# Altium PCB Copy of PCB1.PcbDoc (part 3 of 5) (continued)
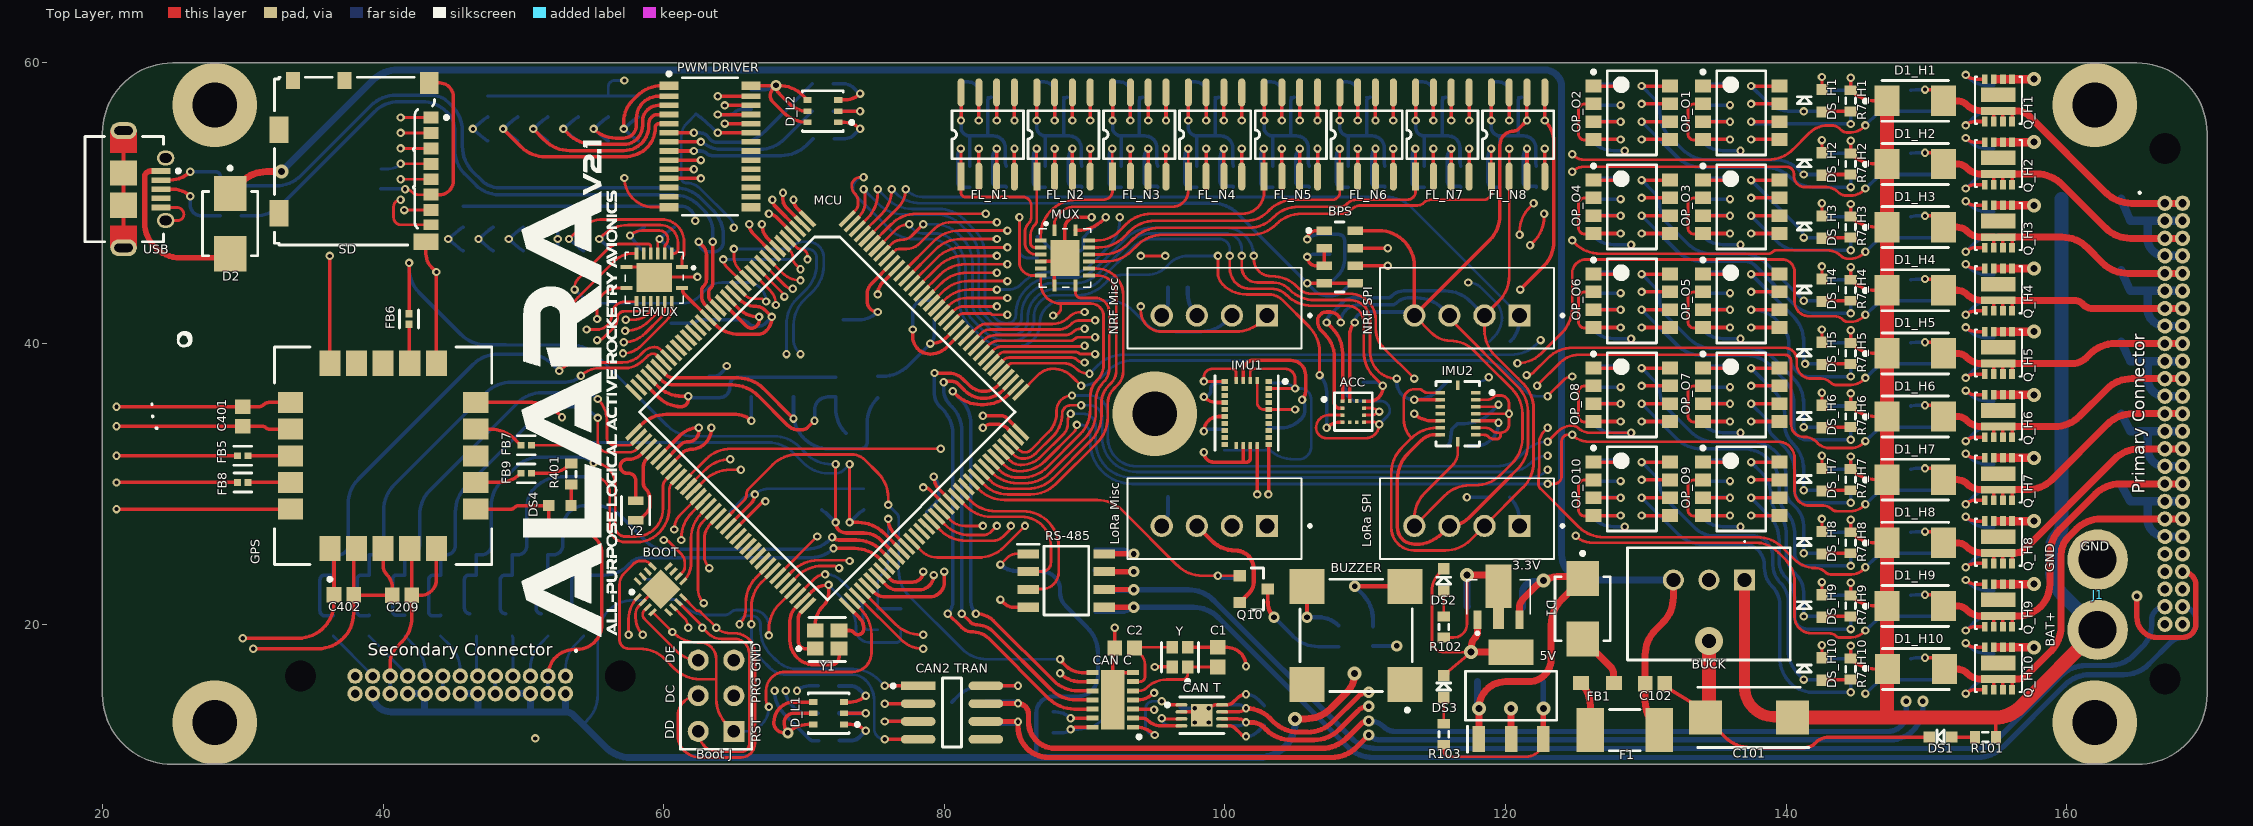
[diagram p0: Top Layer view]
## Nets (pads, with @x,y where several pads share a name; then routed paths per layer and width w, separated by ;. In a path a pad name is that pad's centre, name@x,y a point inside that pad or via, vN(x,y) a via of type N, cw(c..) or ccw(c..) an arc to the next point about the centre after c; other vN are vias at no path point) (continued)
  Top Layer w0.3: 21.5,47.613 USB.10@21.5,49.85 USB.9@21.5,52.15 21.5,54.388 ; 98,27 99.043,25.957 ccw(c100.75,27.664) 100.75,25.25 cw(c100.75,23.95) 102.05,23.95 102.05,23 cw(c100.963,23) 101.732,22.232 Q10.2@101.05,21.55
  Top Layer w0.5: DS3.1@115.6,16.35 DS3.1@115.75,16.5 ; 3.3V.1@118,20.312 118,19.412 cw(c117.488,19.412) 117.85,19.05 ccw(c118.574,18.326) 117.55,18.326 v2(117.55,18) 5V.4@120.4,18 ; 5V.2@120.4,11.8 v2(120.4,14)
  Top Layer w0.6: Q_H10.7@154.9,18.35 Q_H10.5@156.1,18.35 v2(157.65,18.35) ; Q_H9.7@154.9,22.85 Q_H9.5@156.1,22.85 v2(157.65,22.85) ; Q_H8.7@154.9,27.35 Q_H8.5@156.1,27.35 v2(157.65,27.35) ; Q_H7.7@154.9,31.85 Q_H7.5@156.1,31.85 v2(157.65,31.85) ; Q_H6.7@154.9,36.35 Q_H6.5@156.1,36.35 v2(157.65,36.35) ; Q_H5.7@154.9,40.85 Q_H5.5@156.1,40.85 v2(157.65,40.85) ; Q_H4.7@154.9,45.35 Q_H4.5@156.1,45.35 v2(157.65,45.35) ; Q_H3.7@154.9,49.85 Q_H3.5@156.1,49.85 v2(157.65,49.85) ; Q_H2.7@154.9,54.35 Q_H2.5@156.1,54.35 v2(157.65,54.35) ; Q_H1.7@154.9,58.85 Q_H1.6@155.45,58.85 Q_H1.5@156.1,58.85 v2(157.65,58.85)
  Top Layer w1: C101.2@134.5,14.45 v6(134.5,18.8)
  Bottom Layer w0.2: v1(71.75,22.8) 72.956,21.594 cw(c71.16,19.798) 73.7,19.798 73.7,19.65 ccw(c74.65,19.65) 74.65,18.7 76.6,18.7 ccw(c76.6,19) 76.9,19 R105.2@76.9,19.6
  Bottom Layer w0.25: C210.1@39.85,51.05 41.446,51.05 cw(c41.446,50.879) v1(41.567,51) ; 40.5,15.05 40.5,16.3 ; 44.25,15.05 44.25,16.3 ; 48,15.05 48,16.3 ; 51.75,15.05 51.75,16.3 ; FB3.1@63.25,37.675 63.557,37.675 ccw(c63.557,38.443) 64.1,37.9 64.429,38.229 ccw(c64.259,38.4) v1(64.5,38.4) ; v1(63.85,56.325) 64.678,56.325 ccw(c64.678,56.922) 65.1,56.5 cw(c65.583,56.017) 65.583,56.7 C503.2@66.25,56.7 ; v1(77.75,41) 77.75,42.25 cw(c78.6,42.25) 78.6,43.1 C205.1@79.3,43.1 ; C5.1@96.775,14.2 ccw(c96.975,14.2) 96.975,14 v5(97.85,14) ; v1(101.5,15) cw(c101.5,13.793) 102.354,14.646 C4.1@102.8,14.2 ; v1(105.875,46.175) cw(c106.358,45.692) 106.358,46.375 C403.1@107.475,46.375
  Bottom Layer w0.3: C603.1@97.35,44 97.35,43.569 ccw(c99.569,43.569) 98,42 ; C601.1@110.55,18.45 v3(112.25,18.45)
  Bottom Layer w0.5: v2@120.315,14.035 ccw(c120.4,14.121) v2(120.4,14) ccw(c120.4,14.241) v2@120.571,14.071
  other v1: 50.85,11.855
  other v5: 97.85,13 98.85,13
"GPS INT": FB8.2 MCU.13 | length 78.1
  Top Layer w0.2: v1(65,46.75) 65,46.2 ccw(c66.292,46.2) 65.378,45.286 MCU.13@66.007,44.657
  Top Layer w0.254: v1(21,30.1) FB8.2@29.621,30.1
  Top Middle Layer w0.2: v1(21,30.1) 23.756,32.856 cw(c25.552,31.06) 25.552,33.6 56.042,33.6 ccw(c56.042,36.14) 57.838,34.344 59.9,36.406 cw(c61.696,34.61) 61.696,37.15 66.598,37.15 ccw(c66.598,39.69) 68.394,37.894 v1(69.75,39.25)
  Bottom Layer w0.2: v1(65,46.75) 68.717,46.75 ccw(c68.717,47.433) 69.2,46.95 cw(c69.924,46.226) 69.924,47.25 70.3,47.25 cw(c70.3,46.15) 71.4,46.15 71.4,45.552 cw(c68.86,45.552) 70.656,43.756 69.994,43.094 ccw(c71.79,41.298) 69.25,41.298 69.25,40.3 ccw(c70.578,40.3) 69.639,39.361 v1(69.75,39.25)
"GPS RST": FB5.1 MCU.14 | length 76
  Top Layer w0.2: v1(64.25,46) ccw(c64.956,46) 64.457,45.501 MCU.14@65.654,44.304
  Top Layer w0.254: v1(21,32) FB5.1@29.621,32
  Top Middle Layer w0.2: v1(21,32) 22.356,33.356 cw(c24.152,31.56) 24.152,34.1 55.848,34.1 ccw(c55.848,36.64) 57.644,34.844 59.756,36.956 cw(c61.552,35.16) 61.552,37.7 66.145,37.7 ccw(c66.145,40.24) 67.941,38.444 v1(68.75,39.253)
  Bottom Layer w0.2: v1(64.25,46) 68.796,46 ccw(c68.796,46.854) 69.4,46.25 69.653,46.503 cw(c70.25,45.905) 70.25,46.75 cw(c70.25,46.1) 70.9,46.1 70.9,45.652 cw(c68.36,45.652) 70.156,43.856 69.494,43.194 ccw(c71.29,41.398) 68.75,41.398 v1(68.75,39.253)
"GPS TP": FB9.2 R401.1 | length 3
  Top Layer w0.25: FB9.2@50.579,30.75 51.71,30.75 ccw(c51.71,33.14) R401.1@53.4,31.45
GRN_L1: D_L1.2 R2_L1.1 | length 3.5
  Top Layer w0.25: D_L1.2@72.85,13.65 v1(74.4,13.65)
  Bottom Layer w0.3: R2_L1.1@72.5,13.65 v1(74.4,13.65)
GRN_L2: D_L2.2 R2_L2.1 | length 3.5
  Top Layer w0.25: D_L2.2@72.45,56.564 v1(74,56.564)
  Bottom Layer w0.25: R2_L2.1@72.1,56.564 v1(74,56.564)
"HPO BAT+1": "Primary Connector.2" "Primary Connector.4" "Primary Connector.27" "Primary Connector.29" F_PTC1.2 | length 9.9
  Bottom Layer w0.6: F_PTC1.2@163.875,50.318 164.525,48.75 165.762,48.75 ; 168.25,46.25 167,46.25 cw(c167,47.487) 165.762,47.487 165.762,48.75 ; 168.25,48.75 167,48.75 165.762,48.75
"HPO BAT+2": "Primary Connector.6" "Primary Connector.8" "Primary Connector.31" "Primary Connector.33" F_PTC2.2 | length 9.8
  Bottom Layer w0.6: F_PTC2.2@163.875,45.218 164.525,43.75 165.763,43.75 ; 168.25,41.25 167,41.25 cw(c167,42.487) 165.763,42.487 165.763,43.75 ; 168.25,43.75 167,43.75 165.763,43.75
"HPO BAT+3": "Primary Connector.10" "Primary Connector.12" "Primary Connector.35" "Primary Connector.37" F_PTC3.2 | length 9.7
  Bottom Layer w0.6: F_PTC3.2@163.875,40.118 164.525,38.75 165.763,38.75 ; 168.25,36.25 167,36.25 cw(c167,37.487) 165.763,37.487 165.763,38.75 ; 168.25,38.75 167,38.75 165.763,38.75
"HPO BAT+4": "Primary Connector.14" "Primary Connector.16" "Primary Connector.39" "Primary Connector.41" F_PTC4.2 | length 9.6
  Bottom Layer w0.6: F_PTC4.2@163.875,35.018 164.525,33.75 165.763,33.75 ; 168.25,31.25 167,31.25 cw(c167,32.487) 165.763,32.487 165.763,33.75 ; 168.25,33.75 167,33.75 165.763,33.75
"HPO BAT+5": "Primary Connector.18" "Primary Connector.20" "Primary Connector.43" "Primary Connector.45" F_PTC5.2 | length 9.5
  Bottom Layer w0.6: F_PTC5.2@163.875,29.918 164.525,28.75 165.763,28.75 ; 168.25,26.25 167,26.25 cw(c167,27.487) 165.763,27.487 165.763,28.75 ; 168.25,28.75 167,28.75 165.763,28.75
"HPO D1": "Primary Connector.1" "Primary Connector.26" D1_H1.2 DS_H1.1 Q_H1.2 Q_H1.3 Q_H1.4 Q_H1.10 R5_H1.2 | length 33.2
  Top Layer w0.2: DS_H1.1@142.55,58.1 v1(142.55,59)
  Top Layer w0.25: v1(149.9,58.1) 150.46,58.1 D1_H1.2@151.225,57.3 ; Q_H1.2@154.8,55.827 154.8,56.582 Q_H1.10@154.85,56.582 ; Q_H1.3@155.45,55.827 Q_H1.10@155.45,56.582 ; Q_H1.4@156.1,55.827 Q_H1.10@156.1,56.582
  Top Layer w0.5: D1_H1.2@151.225,57.3 152.176,57.3 cw(c152.176,56.276) 152.9,57 ccw(c153.908,58.008) 153.908,56.582 Q_H1.10@154.8,56.582 ; Q_H1.10@155.125,56.582 155.45,56.582 156.1,56.582 156.427,56.582 cw(c156.427,55.277) 157.35,56.2 162.806,50.744 ccw(c164.602,52.54) 164.602,50 167,50 168.25,50
  Top Middle Layer w0.2: v1(142.55,59) ccw(c143.4,59) 143.4,58.15 149.85,58.15 cw(c149.85,58.1) v1(149.9,58.1)
  Bottom Layer w0.25: R5_H1.2@148.9,58.05 149.223,58.1 v1(149.9,58.1)
"HPO D2": "Primary Connector.3" "Primary Connector.28" D1_H2.2 DS_H2.1 Q_H2.2 Q_H2.3 Q_H2.4 Q_H2.10 R5_H2.2 | length 32.3
  Top Layer w0.2: DS_H2.1@142.55,53.6 v1(142.55,54.5)
  Top Layer w0.25: v1(149.9,53.6) 150.46,53.6 D1_H2.2@151.225,52.8 ; Q_H2.2@154.8,51.327 154.8,52.082 Q_H2.10@154.85,52.082 ; Q_H2.3@155.45,51.327 Q_H2.10@155.45,52.082 ; Q_H2.4@156.1,51.327 Q_H2.10@156.1,52.082
  Top Layer w0.5: D1_H2.2@151.225,52.8 152.176,52.8 cw(c152.176,51.776) 152.9,52.5 ccw(c153.908,53.508) 153.908,52.082 Q_H2.10@154.8,52.082 ; Q_H2.10@155.125,52.082 155.45,52.082 156.1,52.082 157.866,52.082 cw(c157.866,49.542) 159.662,51.338 162.756,48.244 ccw(c164.552,50.04) 164.552,47.5 167,47.5 168.25,47.5
  Top Middle Layer w0.2: v1(142.55,54.5) ccw(c143.4,54.5) 143.4,53.65 149.85,53.65 cw(c149.85,53.6) v1(149.9,53.6)
  Bottom Layer w0.25: R5_H2.2@148.9,53.55 149.223,53.6 v1(149.9,53.6)
"HPO D3": "Primary Connector.5" "Primary Connector.30" D1_H3.2 DS_H3.1 Q_H3.2 Q_H3.3 Q_H3.4 Q_H3.10 R5_H3.2 | length 31.5
  Top Layer w0.2: DS_H3.1@142.55,49.1 v1(142.55,50)
  Top Layer w0.25: v1(149.9,49.1) 150.46,49.1 D1_H3.2@151.225,48.3 ; Q_H3.2@154.8,46.827 154.8,47.582 Q_H3.10@154.85,47.582 ; Q_H3.3@155.45,46.827 Q_H3.10@155.45,47.582 ; Q_H3.4@156.1,46.827 Q_H3.10@156.1,47.582
  Top Layer w0.5: D1_H3.2@151.225,48.3 152.176,48.3 cw(c152.176,47.276) 152.9,48 ccw(c153.908,49.008) 153.908,47.582 Q_H3.10@154.8,47.582 ; Q_H3.10@155.125,47.582 155.45,47.582 156.1,47.582 159.666,47.582 cw(c159.666,45.042) 161.462,46.838 162.556,45.744 ccw(c164.352,47.54) 164.352,45 167,45 168.25,45
  Top Middle Layer w0.2: v1(142.55,50) ccw(c143.4,50) 143.4,49.15 149.85,49.15 cw(c149.85,49.1) v1(149.9,49.1)
  Bottom Layer w0.25: R5_H3.2@148.9,49.05 149.223,49.1 v1(149.9,49.1)
"HPO D4": "Primary Connector.7" "Primary Connector.32" D1_H4.2 DS_H4.1 Q_H4.2 Q_H4.3 Q_H4.4 Q_H4.10 R5_H4.2 | length 30.8
  Top Layer w0.2: DS_H4.1@142.55,44.6 v1(142.55,45.5)
  Top Layer w0.25: v1(149.9,44.6) 150.46,44.6 D1_H4.2@151.225,43.8 ; Q_H4.2@154.8,42.327 154.8,43.082 Q_H4.10@154.85,43.082 ; Q_H4.3@155.45,42.327 Q_H4.10@155.45,43.082 ; Q_H4.4@156.1,42.327 Q_H4.10@156.1,43.082
  Top Layer w0.5: D1_H4.2@151.225,43.8 152.176,43.8 cw(c152.176,42.776) 152.9,43.5 ccw(c153.908,44.508) 153.908,43.082 Q_H4.10@154.8,43.082 ; Q_H4.10@155.125,43.082 155.45,43.082 156.1,43.082 160.531,43.082 cw(c160.531,42.269) 161.106,42.844 161.15,42.8 ccw(c161.874,43.524) 161.874,42.5 167,42.5 168.25,42.5
  Top Middle Layer w0.2: v1(142.55,45.5) ccw(c143.4,45.5) 143.4,44.65 149.85,44.65 cw(c149.85,44.6) v1(149.9,44.6)
  Bottom Layer w0.25: R5_H4.2@148.9,44.55 149.223,44.6 v1(149.9,44.6)
"HPO D5": "Primary Connector.9" "Primary Connector.34" D1_H5.2 DS_H5.1 Q_H5.2 Q_H5.3 Q_H5.4 Q_H5.10 R5_H5.2 | length 31.1
  Top Layer w0.2: DS_H5.1@142.55,40.1 v1(142.55,41)
  Top Layer w0.25: v1(149.9,40.1) 150.46,40.1 D1_H5.2@151.225,39.3 ; Q_H5.2@154.8,37.827 154.8,38.582 Q_H5.10@154.85,38.582 ; Q_H5.3@155.45,37.827 Q_H5.10@155.45,38.582 ; Q_H5.4@156.1,37.827 Q_H5.10@156.1,38.582
  Top Layer w0.5: D1_H5.2@151.225,39.3 152.176,39.3 cw(c152.176,38.276) 152.9,39 ccw(c153.908,40.008) 153.908,38.582 Q_H5.10@154.8,38.582 ; Q_H5.10@155.125,38.582 155.45,38.582 156.1,38.582 160.392,38.582 ccw(c160.392,40.008) 161.4,39 161.656,39.256 cw(c163.452,37.46) 163.452,40 167,40 168.25,40
  Top Middle Layer w0.2: v1(142.55,41) ccw(c143.4,41) 143.4,40.15 149.85,40.15 cw(c149.85,40.1) v1(149.9,40.1)
  Bottom Layer w0.25: R5_H5.2@148.9,40.05 149.223,40.1 v1(149.9,40.1)
"HPO D6": "Primary Connector.11" "Primary Connector.36" D1_H6.2 DS_H6.1 Q_H6.2 Q_H6.3 Q_H6.4 Q_H6.10 R5_H6.2 | length 31.8
  Top Layer w0.2: DS_H6.1@142.55,35.6 v1(142.55,36.5)
  Top Layer w0.25: v1(149.9,35.6) 150.46,35.6 D1_H6.2@151.225,34.8 ; Q_H6.2@154.8,33.327 154.8,34.082 Q_H6.10@154.85,34.082 ; Q_H6.3@155.45,33.327 Q_H6.10@155.45,34.082 ; Q_H6.4@156.1,33.327 Q_H6.10@156.1,34.082
  Top Layer w0.5: D1_H6.2@151.225,34.8 152.176,34.8 cw(c152.176,33.776) 152.9,34.5 ccw(c153.908,35.508) 153.908,34.082 Q_H6.10@154.8,34.082 ; Q_H6.10@155.125,34.082 155.45,34.082 156.1,34.082 159.13,34.082 ccw(c159.13,36.622) 160.926,34.826 162.856,36.756 cw(c164.652,34.96) 164.652,37.5 167,37.5 168.25,37.5
  Top Middle Layer w0.2: v1(142.55,36.5) ccw(c143.4,36.5) 143.4,35.65 149.85,35.65 cw(c149.85,35.6) v1(149.9,35.6)
  Bottom Layer w0.25: R5_H6.2@148.9,35.55 149.223,35.6 v1(149.9,35.6)
"HPO D7": "Primary Connector.13" "Primary Connector.38" D1_H7.2 DS_H7.1 Q_H7.2 Q_H7.3 Q_H7.4 Q_H7.10 R5_H7.2 | length 32.7
  Top Layer w0.2: DS_H7.1@142.55,31.1 v1(142.55,32)
  Top Layer w0.25: v1(149.9,31.1) 150.46,31.1 D1_H7.2@151.225,30.3 ; Q_H7.2@154.8,28.827 154.8,29.582 Q_H7.10@154.85,29.582 ; Q_H7.3@155.45,28.827 Q_H7.10@155.45,29.582 ; Q_H7.4@156.1,28.827 Q_H7.10@156.1,29.582
  Top Layer w0.5: D1_H7.2@151.225,30.3 152.176,30.3 cw(c152.176,29.276) 152.9,30 ccw(c153.908,31.008) 153.908,29.582 Q_H7.10@154.8,29.582 ; Q_H7.10@155.125,29.582 155.45,29.582 156.1,29.582 157.18,29.582 ccw(c157.18,32.122) 158.976,30.326 162.906,34.256 cw(c164.702,32.46) 164.702,35 167,35 168.25,35
  Top Middle Layer w0.2: v1(142.55,32) ccw(c143.4,32) 143.4,31.15 149.85,31.15 cw(c149.85,31.1) v1(149.9,31.1)
  Bottom Layer w0.25: R5_H7.2@148.9,31.05 149.223,31.1 v1(149.9,31.1)
"HPO D8": "Primary Connector.15" "Primary Connector.40" D1_H8.2 DS_H8.1 Q_H8.2 Q_H8.3 Q_H8.4 Q_H8.10 R5_H8.2 | length 33.6
  Top Layer w0.2: DS_H8.1@142.55,26.6 v1(142.55,27.5)
  Top Layer w0.25: v1(149.9,26.6) 150.46,26.6 D1_H8.2@151.225,25.8 ; Q_H8.2@154.8,24.327 154.8,25.082 Q_H8.10@154.85,25.082 ; Q_H8.3@155.45,24.327 Q_H8.10@155.45,25.082 ; Q_H8.4@156.1,24.327 Q_H8.10@156.1,25.082
  Top Layer w0.5: D1_H8.2@151.225,25.8 152.176,25.8 cw(c152.176,24.776) 152.9,25.5 ccw(c153.908,26.508) 153.908,25.082 Q_H8.10@154.8,25.082 ; Q_H8.10@155.125,25.082 155.45,25.082 156.1,25.082 156.427,25.082 ccw(c156.427,25.819) 156.948,25.298 163.406,31.756 cw(c165.202,29.96) 165.202,32.5 167,32.5 168.25,32.5
  Top Middle Layer w0.2: v1(142.55,27.5) ccw(c143.4,27.5) 143.4,26.65 149.85,26.65 cw(c149.85,26.6) v1(149.9,26.6)
  Bottom Layer w0.25: R5_H8.2@148.9,26.55 149.223,26.6 v1(149.9,26.6)
"HPO D9": "Primary Connector.17" "Primary Connector.42" D1_H9.2 DS_H9.1 Q_H9.2 Q_H9.3 Q_H9.4 Q_H9.10 R5_H9.2 | length 36.6
  Top Layer w0.2: DS_H9.1@142.55,22.1 v1(142.55,23)
  Top Layer w0.25: v1(149.9,22.1) 150.46,22.1 D1_H9.2@151.225,21.3 ; Q_H9.2@154.8,19.827 154.8,20.582 Q_H9.10@154.85,20.582 ; Q_H9.3@155.45,19.827 Q_H9.10@155.45,20.582 ; Q_H9.4@156.1,19.827 Q_H9.10@156.1,20.582
  Top Layer w0.5: D1_H9.2@151.225,21.3 152.176,21.3 cw(c152.176,20.276) 152.9,21 ccw(c153.908,22.008) 153.908,20.582 Q_H9.10@154.8,20.582 ; Q_H9.10@155.125,20.582 155.45,20.582 156.1,20.582 156.532,20.582 ccw(c156.532,22.85) 158.8,22.85 158.8,24.998 cw(c161.34,24.998) 159.544,26.794 162.006,29.256 cw(c163.802,27.46) 163.802,30 167,30 168.25,30
  Top Middle Layer w0.2: v1(142.55,23) ccw(c143.4,23) 143.4,22.15 149.85,22.15 cw(c149.85,22.1) v1(149.9,22.1)
  Bottom Layer w0.25: R5_H9.2@148.9,22.05 149.223,22.1 v1(149.9,22.1)
"HPO D10": "Primary Connector.19" "Primary Connector.44" D1_H10.2 DS_H10.1 Q_H10.2 Q_H10.3 Q_H10.4 Q_H10.10 R5_H10.2 | length 39.1
  Top Layer w0.2: DS_H10.1@142.55,17.6 v1(142.55,18.5)
  Top Layer w0.25: v1(149.9,17.6) 150.46,17.6 D1_H10.2@151.225,16.8 ; Q_H10.2@154.8,15.327 154.8,16.082 Q_H10.10@154.85,16.082 ; Q_H10.3@155.45,15.327 Q_H10.10@155.45,16.082 ; Q_H10.4@156.1,15.327 Q_H10.10@156.1,16.082
  Top Layer w0.5: D1_H10.2@151.225,16.8 152.176,16.8 cw(c152.176,15.776) 152.9,16.5 ccw(c153.908,17.508) 153.908,16.082 Q_H10.10@154.8,16.082 ; Q_H10.10@155.125,16.082 155.45,16.082 156.1,16.082 156.427,16.082 ccw(c156.427,17.181) 157.204,16.404 158.856,18.056 ccw(c157.06,19.852) 159.6,19.852 159.6,24.96 cw(c161.387,24.96) 160.123,26.223 160.656,26.756 cw(c162.452,24.96) 162.452,27.5 167,27.5 168.25,27.5
  Top Middle Layer w0.2: v1(142.55,18.5) ccw(c143.4,18.5) 143.4,17.65 149.85,17.65 cw(c149.85,17.6) v1(149.9,17.6)
  Bottom Layer w0.25: R5_H10.2@148.9,17.55 149.223,17.6 v1(149.9,17.6)
"HPO DIG1": MCU.139 R2_O1.2 | length 71.3
  Top Layer w0.2: MCU.139@74.846,47.132 76.22,48.506 cw(c78.016,46.71) 78.016,49.25 v1(82.95,49.25)
  Top Middle Layer w0.2: v1(82.95,49.25) 86.056,52.356 cw(c87.852,50.56) 87.852,53.1 122.75,53.1 ccw(c122.75,53.8) 123.45,53.8 123.45,56.96 cw(c125.99,56.96) 125.99,59.5 132.448,59.5 cw(c132.448,56.96) 134.244,58.756 v1(136,57)
  Bottom Layer w0.254: R2_O1.2@134.05,57 v1(136,57)
"HPO DIG2": MCU.126 R2_O2.2 | length 60.5
  Top Layer w0.2: MCU.126@79.442,42.536 80.012,43.106 cw(c81.808,41.31) 81.808,43.85 v1(83.75,43.85)
  Top Middle Layer w0.2: v1(92.5,49) 93.856,50.356 cw(c95.652,48.56) 95.652,51.1 124.5,51.1 ccw(c124.5,52.586) 125.551,51.535 126.408,52.392 cw(c126.549,52.25) 126.422,52.405 cw(c127.819,50.681) 127.819,52.9 128.8,52.9 ccw(c128.8,53.5) 129.4,53.5 ccw(c128.676,53.5) 129.188,54.012 129.15,54.05 cw(c129.633,54.533) 128.95,54.533 128.95,55.7 ccw(c127.622,55.7) 128.561,56.639 v1(128.2,57)
  Bottom Layer w0.2: v1(83.75,43.85) 84.55,43.85 ccw(c84.55,45.178) 85.489,44.239 85.606,44.356 cw(c87.402,42.56) 87.402,45.1 89.334,45.1 ccw(c89.334,46.466) 90.3,45.5 91.756,46.956 ccw(c89.96,48.752) 92.5,48.752 v1(92.5,49)
  Bottom Layer w0.254: R2_O2.2@126.25,57 v1(128.2,57)
"HPO DIG3": MCU.125 R2_O3.2 | length 63
  Top Layer w0.2: MCU.125@79.796,42.183 80.343,42.729 cw(c81.6,41.472) 81.6,43.25 v1(84.5,43.25) ; v1(121,47.75) 121,47.948 cw(c123.54,47.948) 121.744,49.744 v1(122,50)
  Top Middle Layer w0.2: v1(84.5,43.25) 84.556,43.306 cw(c86.352,41.51) 86.352,44.05 93.748,44.05 ccw(c93.748,46.99) 95.62,44.723 cw(c95.748,44.57) 95.633,44.733 cw(c95.774,44.591) 95.644,44.743 ccw(c93.748,46.99) 95.826,44.91 99.172,48.256 cw(c100.968,46.46) 100.968,49 118.698,49 cw(c118.698,46.46) 120.494,48.256 v1(121,47.75) ; v1(122,50) 125.243,50 ccw(c125.243,51.707) 126.45,50.5 126.579,50.629 cw(c127.474,49.734) 127.474,51 134.31,51 cw(c134.31,48.61) v1(136,50.3)
  Bottom Layer w0.254: R2_O3.2@134.05,50.3 v1(136,50.3)
"HPO DIG4": MCU.124 R2_O4.2 | length 54.8
  Top Layer w0.2: MCU.124@80.149,41.829 80.667,42.346 cw(c81.4,41.613) 81.4,42.65 v1(83.75,42.65) ; v1(121.75,47) 122.006,47.256 ccw(c120.21,49.052) 122.75,49.052 v1(122.75,49.25)
  Top Middle Layer w0.2: v1(83.75,42.65) 84.526,42.65 ccw(c84.526,43.674) 85.25,42.95 cw(c86.94,41.26) 86.94,43.65 94.148,43.65 ccw(c94.148,46.19) 95.944,44.394 99.406,47.856 cw(c101.202,46.06) 101.202,48.6 117.948,48.6 cw(c117.948,46.06) 119.744,47.856 120.2,47.4 ccw(c121.166,48.366) 121.166,47 v1(121.75,47) ; v1(122.75,49.25) 126.098,49.25 ccw(c126.098,51.79) 127.894,49.994 v1(128.2,50.3)
  Bottom Layer w0.254: R2_O4.2@126.25,50.3 v1(128.2,50.3)
"HPO DIG5": MCU.123 R2_O5.2 | length 61.3
  Top Layer w0.2: MCU.123@80.503,41.475 81.02,41.993 cw(c81.4,41.613) 81.4,42.15 83.229,42.15 cw(c83.229,41.979) 83.35,42.1 ccw(c83.471,42.221) 83.471,42.05 v1(84.5,42.05)
  Top Middle Layer w0.2: v1(84.5,42.05) ccw(c84.5,43.378) 85.439,42.439 85.7,42.7 cw(c87.028,41.372) 87.028,43.25 94.348,43.25 ccw(c94.348,45.79) 96.144,43.994 99.606,47.456 cw(c101.402,45.66) 101.402,48.2 117.748,48.2 cw(c117.748,45.66) 119.544,47.456 119.958,47.042 ccw(c121.75,48.835) 121.75,46.3 122.696,46.3 cw(c122.696,45.446) 123.3,46.05 ccw(c123.783,46.533) 123.783,45.85 129.734,45.85 cw(c129.734,44.484) 130.7,45.45 ccw(c131.424,46.174) 131.424,45.15 133.398,45.15 cw(c133.398,42.61) 135.194,44.406 v1(136,43.6)
  Bottom Layer w0.254: R2_O5.2@134.05,43.6 v1(136,43.6)
"HPO DIG6": MCU.120 R2_O6.2 | length 50.5
  Top Layer w0.2: MCU.120@81.564,40.415 ccw(c81.564,40.538) 81.651,40.451 82.3,41.1 cw(c83.024,40.376) 83.024,41.4 87.7,41.4 ccw(c87.7,43.09) 88.895,41.895 88.9,41.9 cw(c89.745,41.055) 89.745,42.25 v1(90,42.25)
  Top Middle Layer w0.2: v1(90,42.25) 92.498,42.25 cw(c92.498,39.71) 94.294,41.506 94.561,41.239 ccw(c95.5,42.178) 95.5,40.85 121.448,40.85 ccw(c121.448,43.39) 123.244,41.594 124.506,42.856 cw(c126.302,41.06) 126.302,43.6 v1(128.2,43.6)
  Bottom Layer w0.254: R2_O6.2@126.25,43.6 v1(128.2,43.6)
"HPO DIG7": MCU.119 R2_O7.2 | length 58.8
  Top Layer w0.2: MCU.119@81.917,40.061 ccw(c81.917,40.167) 81.992,40.092 82.65,40.75 cw(c83.254,40.146) 83.254,41 88.084,41 ccw(c88.084,42.366) 89.05,41.4 cw(c89.654,40.796) 89.654,41.65 v1(90.75,41.65)
  Top Middle Layer w0.2: v1(90.75,41.65) 92.884,41.65 cw(c92.884,40.284) 93.85,41.25 93.956,41.144 ccw(c95.752,42.94) 95.752,40.4 120.451,40.4 cw(c120.451,38.351) 121.9,39.8 122.606,39.094 ccw(c124.402,40.89) 124.402,38.35 124.996,38.35 ccw(c124.996,39.204) 125.6,38.6 125.956,38.956 cw(c127.752,37.16) 127.752,39.7 129.61,39.7 cw(c129.61,37.31) 131.3,39 ccw(c132.507,40.207) 132.507,38.5 133.348,38.5 cw(c133.348,35.96) 135.144,37.756 v1(136,36.9)
  Bottom Layer w0.254: R2_O7.2@134.05,36.9 v1(136,36.9)
"HPO DIG8": MCU.118 R2_O8.2 | length 49.7
  Top Layer w0.2: MCU.118@82.271,39.708 82.819,40.256 cw(c83.65,39.425) 83.65,40.6 88.596,40.6 ccw(c88.596,41.454) 89.2,40.85 cw(c89.683,40.367) 89.683,41.05 v1(90,41.05)
  Top Middle Layer w0.2: v1(90,41.05) 92.714,41.05 cw(c92.714,39.514) 93.8,40.6 ccw(c95.249,42.049) 95.249,40 120.048,40 cw(c120.048,37.46) 121.844,39.256 123.456,37.644 ccw(c125.252,39.44) 125.252,36.9 v1(128.2,36.9)
  Bottom Layer w0.254: R2_O8.2@126.25,36.9 v1(128.2,36.9)
"HPO DIG9": MCU.117 R2_O9.2 | length 62.3
  Top Layer w0.2: MCU.117@82.624,39.354 83.202,39.931 cw(c83.85,39.283) 83.85,40.2 89.009,40.2 ccw(c89.009,40.541) 89.25,40.3 cw(c89.612,39.938) 89.612,40.45 v1(90.75,40.45)
  Top Middle Layer w0.2: v1(90.75,40.45) 92.614,40.45 cw(c92.614,38.914) 93.7,40 ccw(c94.666,40.966) 94.666,39.6 120.048,39.6 cw(c120.048,37.46) 120.683,39.504 cw(c120.623,39.313) 120.691,39.501 cw(c119.86,37.26) 121.55,38.95 123.306,37.194 cw(c121.51,35.398) 124.05,35.398 124.05,32.6 ccw(c124.75,32.6) 124.75,31.9 ccw(c124.75,32.624) 125.262,32.112 125.4,32.25 cw(c126.366,31.284) 126.366,32.65 129.7,32.65 cw(c129.7,30.356) 131.322,31.978 132.356,30.944 ccw(c134.152,32.74) 134.152,30.2 v1(136,30.2)
  Bottom Layer w0.254: R2_O9.2@134.05,30.2 v1(136,30.2)
"HPO DIG10": MCU.90 R2_O10.2 | length 60.7
  Top Layer w0.2: MCU.90@79.089,27.333 79.728,26.694 ccw(c81.524,28.49) 81.524,25.95 83.476,25.95 ccw(c83.476,26.974) 84.2,26.25 84.609,26.659 ccw(c84.267,27) v1(84.75,27)
  Top Middle Layer w0.2: v1(84.75,27) 87.456,29.706 cw(c89.252,27.91) 89.252,30.45 119.698,30.45 cw(c119.698,27.91) 121.494,29.706 123.961,27.239 cw(c123.022,26.3) 124.35,26.3 ccw(c124.95,26.3) 124.95,25.7 125.096,25.7 ccw(c125.096,26.554) 125.7,25.95 cw(c126.424,25.226) 126.424,26.25 128.5,26.25 ccw(c128.5,26.9) 129.15,26.9 129.15,27.238 ccw(c128.638,27.238) 129,27.6 cw(c129.483,28.083) 128.8,28.083 128.8,29.438 ccw(c128.288,29.438) 128.65,29.8 128.285,30.165 ccw(c128.2,30.079) v1(128.2,30.2)
  Bottom Layer w0.254: R2_O10.2@126.25,30.2 v1(128.2,30.2)
"HPO PWM1": MCU.136 R1_O1.2 | length 73.1
  Top Layer w0.2: MCU.136@75.907,46.072 ccw(c75.907,46.107) 75.932,46.082 76.45,46.6 cw(c76.812,46.238) 76.812,46.75 77.3,46.75 ccw(c77.3,48.078) 78.239,47.139 79.22,48.12 cw(c80.5,46.839) 80.5,48.65 v1(83.75,48.65)
  Top Middle Layer w0.2: v1(83.75,48.65) 87.056,51.956 cw(c88.852,50.16) 88.852,52.7 122.753,52.7 ccw(c122.75,53.8) 123.791,53.443 123.839,53.585 ccw(c123.65,53.65) 123.85,53.65 123.85,56.9 cw(c126,56.9) 126,59.05 129.7,59.05 cw(c129.7,58.85) 129.777,59.035 131.086,58.492 cw(c131.01,58.308) 131.151,58.449 ; 131.151,58.449 135.214,54.386 ccw(c136.75,55.923) v1(136.75,53.75)
  Bottom Layer w0.25: R1_O1.2@134.05,54.35 ccw(c135.499,55.799) 135.499,53.75 v1(136.75,53.75)
"HPO PWM2": MCU.131 R1_O2.2 | length 56.7
  Top Layer w0.2: MCU.131@77.675,44.304 79.477,46.106 cw(c81.273,44.31) 81.273,46.85 v1(84.5,46.85)
  Top Middle Layer w0.2: v1(84.5,46.85) 86.448,46.85 ccw(c86.448,49.39) 88.244,47.594 91.514,50.864 cw(c93.05,49.327) 93.05,51.5 124.243,51.5 ccw(c124.243,53.207) 125.45,52 126.456,53.006 cw(c128.252,51.21) 128.252,53.75 v1(128.5,53.75)
  Bottom Layer w0.25: R1_O2.2@126.25,54.35 ccw(c127.699,55.799) 127.699,53.75 v1(128.5,53.75)